# Altium PCB PV Refridgerator v0.1.3.PCBDOC (part 1 of 2)
Units mil, origin at the board's own origin, x right, y up, seen from the top; angles counter-clockwise.
Board outline 6000 x 6000 mil, 2 copper layers (Top Layer, Bottom Layer); 123 components, 98 nets, 340 pads, 106 vias.
Unrouted connection lines stored in the file: 60.
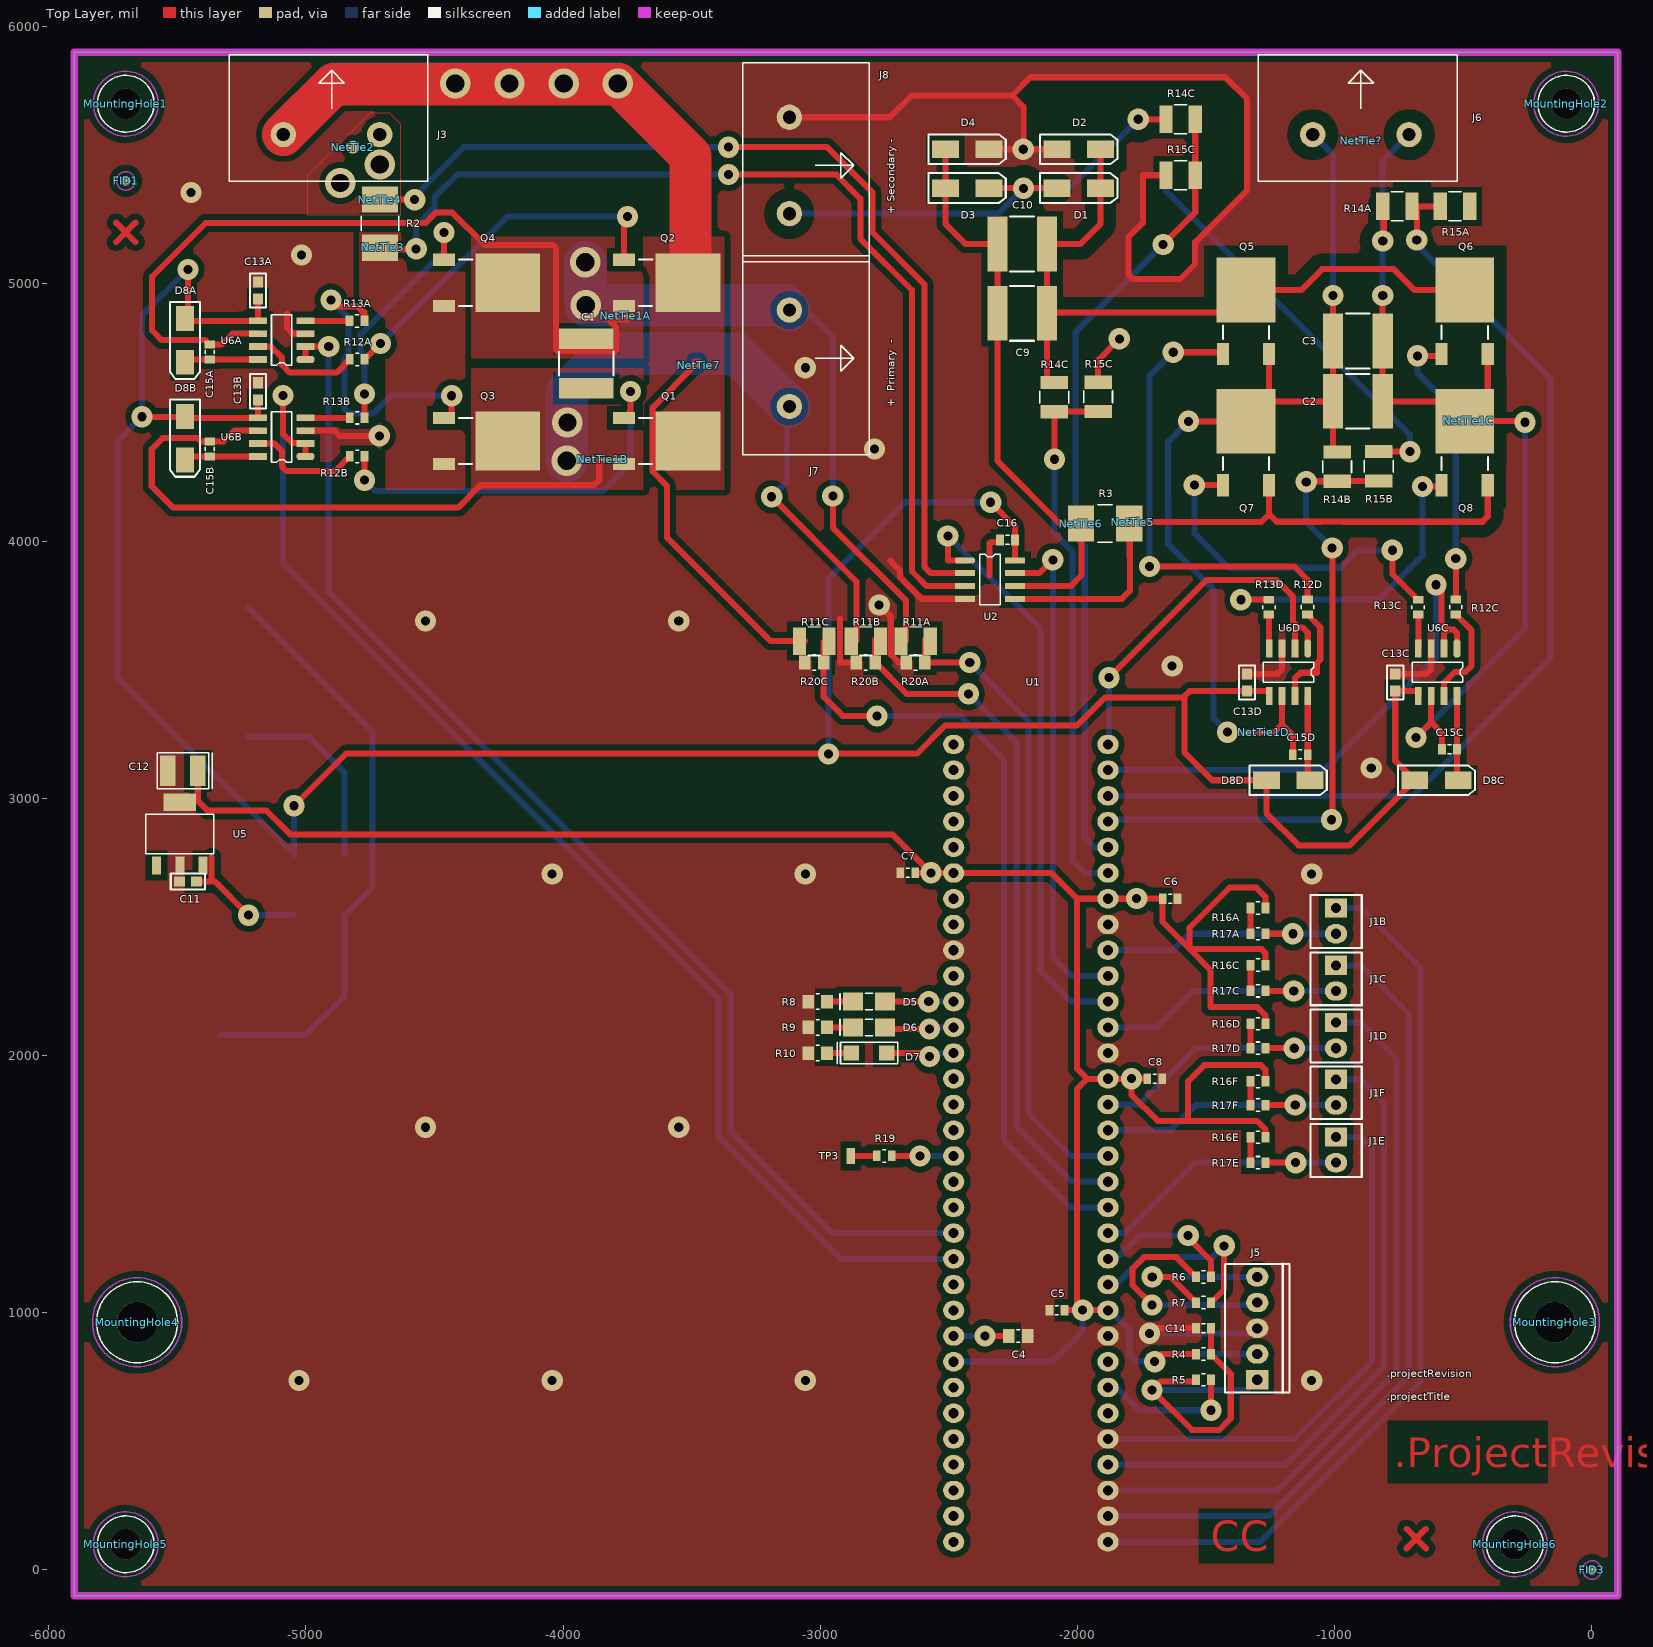
[diagram p0: Top Layer view]
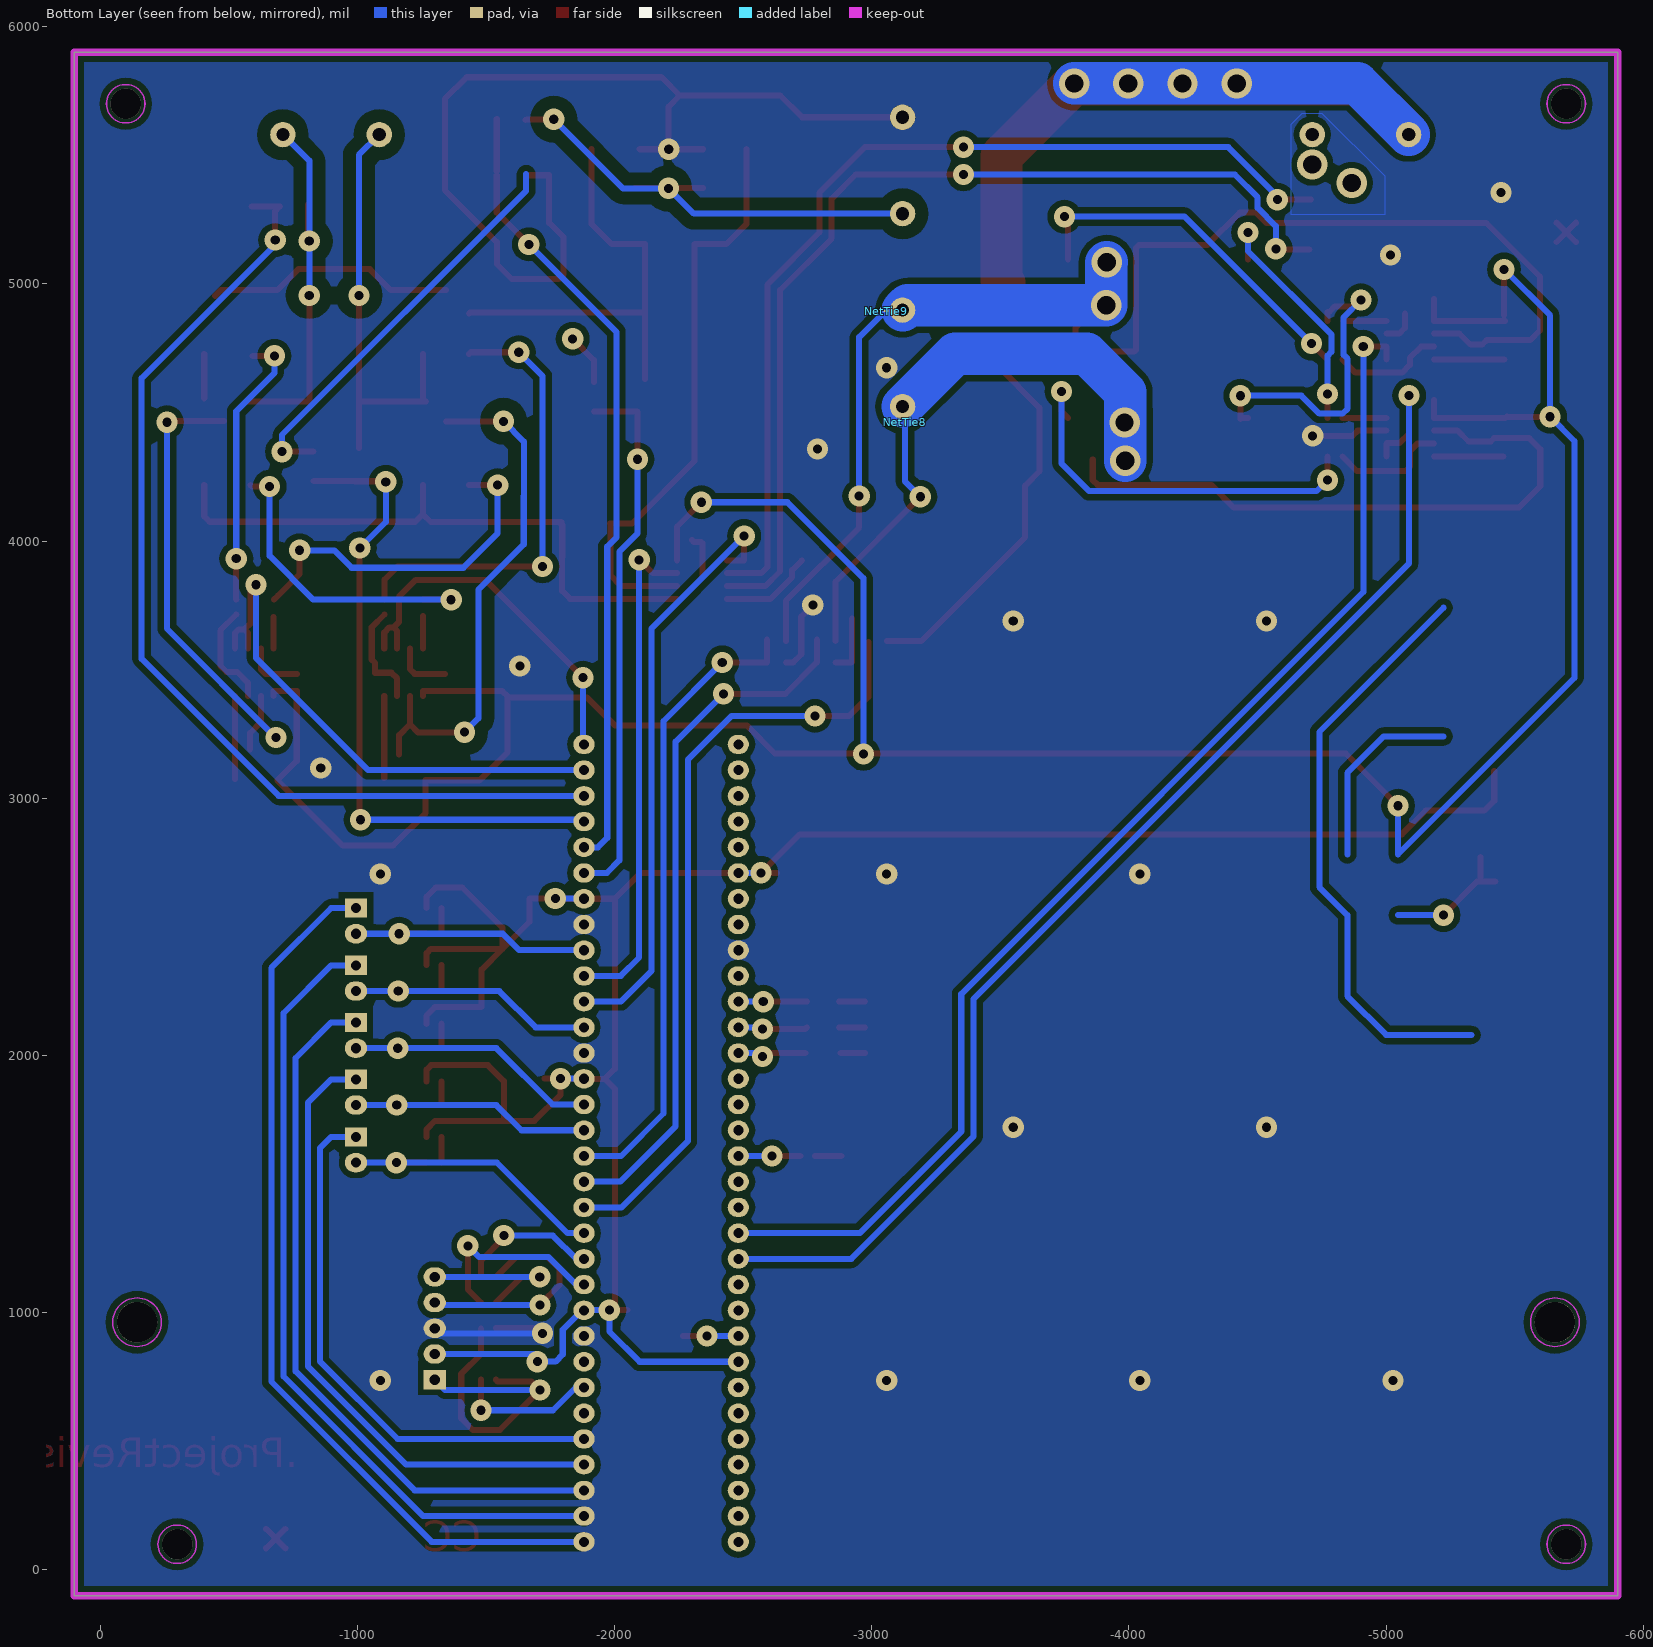
[diagram p1: Bottom Layer view, seen from below]

## Layer stack, top to bottom
Top Solder: solder mask 0.4, Solder Resist, Dk 3.5
Top Layer: signal copper 1.4
Dielectric1: core 12.6, FR-4, Dk 4.8
Bottom Layer: signal copper 1.4
Bottom Solder: solder mask 0.4, Solder Resist, Dk 3.5

## Board outline
-5900,-100 -5900,5900 100,5900 100,-100

## Design rules (kind name [scope] priority, off if disabled: settings)
AssemblyTestpoint [All] p1: testpointundercomponent=TRUE minsize=40 maxsize=100 preferedsize=60 minholesize=0 maxholesize=40 preferedholesize=32 testpointgrid=1 usegrid=FALSE gridtolerance=0.01 allowsidebottom=TRUE
Clearance "Clearance Grounds" [InNetClass('Grounds') vs InNetClass('Grounds')] p1: gap=-1
Clearance "High Voltage (171-250V) Clearance" [InNetClass('171-250V')] p2: gap=49.21
Clearance "Tracks -VT1.P" [InNet('-VT1.P') vs InNet('NetC15A_2')          or InNet('NetNetTie9_1')] p3: gap=-1
Clearance NetTie3 [InNet('NetNetTie3_1') vs InNet('NetNetTie3_2')] p4: gap=-1
Clearance NetTie5 [InNet('NetNetTie5_1') vs InNet('NetNetTie5_2')] p5: gap=-1
Clearance "Tracks +VT1.P" [InNet('+VT1.P') vs InNet('NetC15b_2')  or InNet('NetNetTie8_1')] p6: gap=-1
Clearance "Tracks -DC Bus" [InNet('-DC BUS') vs InNet('NetNetTie6_1')] p7: gap=-1
Clearance "Tracks +Vsolar" [InNet('+VSOLAR') vs InNet('NetNetTie7_1')] p8: gap=-1
Clearance Tracks [All] p9: gap=23.62
ComponentClearance "Fiducials and labels" [HasFootprint('Date Code Label') OR HasFootprint('Fiducial - Top Only') or HasFootprint('1 Pin 14-Gauge Wire Connector') OR HasFootprint('1 Pin 22-Gauge Wire Connector')] p1: gap=-1000 collisioncheckmode=3 verticalgap=5 showdistances=TRUE
ComponentClearance Netties [(ObjectKind = 'Component') And (ComponentType = 'Net Tie')] p2: gap=-1000 collisioncheckmode=3 verticalgap=5 showdistances=TRUE
ComponentClearance "Terminal Blocks" [(HasFootprint('TE 796739-2')) vs (HasFootprint('TE 796739-2'))] p3: gap=-1000 collisioncheckmode=3 verticalgap=5 showdistances=TRUE
ComponentClearance [All] p4: gap=5 collisioncheckmode=3 verticalgap=5 showdistances=TRUE
FabricationTestpoint [All] p1: side=2 testpointundercomponent=TRUE minsize=40 maxsize=100 preferedsize=60 minholesize=0 maxholesize=40 preferedholesize=32 testpointgrid=1 allowsidebottom=TRUE usegrid=FALSE gridtolerance=0.01
HoleSize "Micah Mill Hole Size" [All] p1: absolutevalues=TRUE maxlimit=1000 minlimit=35.43 maxpercent=80.000 minpercent=20.000
HoleSize "OSH Park Hole Size" [All] p2: absolutevalues=TRUE maxlimit=1000 minlimit=13 maxpercent=80.000 minpercent=20.000
HoleSize "Sunstone Hole Size" [All] p3: absolutevalues=TRUE maxlimit=251 minlimit=16 maxpercent=80.000 minpercent=20.000
MinimumAnnularRing [All] p1: minimumring=17.72 // OSH Park
MinimumSolderMaskSliver [(InComponentClass('Inside Board Components'))] p1: minsoldermaskwidth=0
PlaneClearance [All] p1: clearance=39.37
PlaneConnect [All] p1: planeconnectstyle=Relief reliefexpansion=39.37 reliefentries=4 reliefconductorwidth=39.37 reliefairgap=39.37
PolygonConnect "Hi-Power Polygon" [InNetClass('15A')] p1: connectstyle=Direct reliefconductorwidth=10 reliefentries=4 polygonreliefangle="45 Angle" airgapwidth=10
PolygonConnect [All] p2: connectstyle=Relief reliefconductorwidth=39.37 reliefentries=4 polygonreliefangle="90 Angle" airgapwidth=39.37
RoomDefinition Powersupply [InComponentClass('Powersupply')] p1: confinementstyle=ConfineIn formatcopy=TRUE lockcomponents=FALSE outline 188.27,99 4188.27,99 4188.27,2799 188.27,2799
RoomDefinition "Vsense Thermistor2" [InComponentClass('Vsense Thermistor2')] p2: confinementstyle=ConfineIn formatcopy=TRUE lockcomponents=FALSE outline -24711.73,-21901 -22711.73,-21901 -22711.73,-20901 -24711.73,-20901
RoomDefinition "Vsense Thermistor1" [InComponentClass('Vsense Thermistor1')] p3: confinementstyle=ConfineIn formatcopy=TRUE lockcomponents=FALSE outline -24711.73,-21901 -22711.73,-21901 -22711.73,-20901 -24711.73,-20901
RoomDefinition "Vsense Thermistor5" [InComponentClass('Vsense Thermistor5')] p4: confinementstyle=ConfineIn formatcopy=TRUE lockcomponents=FALSE outline 277.27,-2567.93 277.27,-2414.07 841.27,-2414.07 841.27,-2383.03 1185.27,-2383.03 1185.27,-2488.97 803.26,-2488.97 803.26,-2665 559.77,-2665 559.77,-2567.93
RoomDefinition "Vsense Thermistor4" [InComponentClass('Vsense Thermistor4')] p5: confinementstyle=ConfineIn formatcopy=TRUE lockcomponents=FALSE outline 277.27,-3002.93 277.27,-2849.07 841.27,-2849.07 841.27,-2818.03 1185.27,-2818.03 1185.27,-2923.97 803.26,-2923.97 803.26,-3100 559.77,-3100 559.77,-3002.93
RoomDefinition "Vsense Thermistor3" [InComponentClass('Vsense Thermistor3')] p6: confinementstyle=ConfineIn formatcopy=TRUE lockcomponents=FALSE outline 277.27,-3437.93 277.27,-3284.07 841.27,-3284.07 841.27,-3253.03 1185.27,-3253.03 1185.27,-3358.97 803.26,-3358.97 803.26,-3535 559.77,-3535 559.77,-3437.93
RoomDefinition "Vsense Thermistor6" [InComponentClass('Vsense Thermistor6')] p7: confinementstyle=ConfineIn formatcopy=TRUE lockcomponents=FALSE outline -2361.74,-3483.59 -2361.74,-3379.1 -248.19,-3379.1 -248.19,-3455.1 -2194.26,-3455.1 -2194.26,-3483.59
RoomDefinition "Vsense 0-2233" [InComponentClass('Vsense 0-2233')] p8: confinementstyle=ConfineIn formatcopy=TRUE lockcomponents=FALSE outline -2529.21,-3483.59 -2529.21,-3379.1 -656,-3379.1 -656,-3455.1 -2361.74,-3455.1 -2361.74,-3483.59
RoomDefinition "Vsense 0-2232" [InComponentClass('Vsense 0-2232')] p9: confinementstyle=ConfineIn formatcopy=TRUE lockcomponents=FALSE outline -3795.21,-3515.04 -3795.21,-3379.1 -1859.31,-3379.1 -1859.31,-3483.59 -3643.21,-3483.59 -3643.21,-3515.04
RoomDefinition "Vsense 0-2231" [InComponentClass('Vsense 0-2231')] p10: confinementstyle=ConfineIn formatcopy=TRUE lockcomponents=FALSE outline -6000,-3685.7 -6000,-3609.7 -2194.26,-3609.7 -2194.26,-3379.1 -520.06,-3379.1 -520.06,-3455.1 -2026.78,-3455.1 -2026.78,-3483.59 -2026.78,-3685.7 -5864.06,-3685.7
RoomDefinition "Vsense 0-69.3V1" [InComponentClass('Vsense 0-69.3V1')] p11: confinementstyle=ConfineIn formatcopy=TRUE lockcomponents=FALSE outline -3086.93,3409 -3086.93,3491 -3077.97,3491 -3077.97,3658 -2942.03,3658 -2942.03,3491 -2933.07,3491 -2933.07,3409
RoomDefinition Transformer [InComponentClass('Transformer')] p12: confinementstyle=ConfineIn formatcopy=TRUE lockcomponents=FALSE outline -4767.5,5908.75 -4767.5,8731.25 -1376.25,8731.25 -1376.25,5908.75 -2801.48,5908.75 -2801.48,4328.1 -3308.6,4328.1 -3308.6,5908.75
RoomDefinition Microcontroller [InComponentClass('Microcontroller')] p13: confinementstyle=ConfineIn formatcopy=TRUE lockcomponents=FALSE outline -5864.06,-3682.7 -5864.06,-3609.7 -3407.5,-3609.7 -3407.5,3407.5 -2392.5,3407.5 -2392.5,-3379.1 -1199.75,-3379.1 -1199.75,-3460.09 -3169.21,-3460.09 -3169.21,-3485.04 -3169.21,-3668.7 -4184.69,-3668.7 -5728.06,-3668.7 -5728.06,-3682.7
RoomDefinition ICSP [InComponentClass('ICSP')] p14: confinementstyle=ConfineIn formatcopy=TRUE lockcomponents=FALSE outline -2452.97,2068 -2452.97,2632 -2347.03,2632 -2347.03,2570.04 -965.79,2570.04 -965.79,2029.96 -1822.39,2029.96 -1822.39,2040 -2235,2040 -2235,2068
RoomDefinition "Half H-Bridge Driver4" [InComponentClass('Half H-Bridge Driver4')] p15: confinementstyle=ConfineIn formatcopy=TRUE lockcomponents=FALSE outline -1448.5,4564.5 -1448.5,4595.5 -1431.5,4595.5 -1431.5,3796.43 -1074,3796.43 -1074,3660 -1047.89,3660 -1047.89,3139 -1022,3139 -1022,3001 -1340,3001 -1340,3373.07 -1382,3373.07 -1448.5,3373.07
RoomDefinition "Half H-Bridge Driver3" [InComponentClass('Half H-Bridge Driver3')] p16: confinementstyle=ConfineIn formatcopy=TRUE lockcomponents=FALSE outline -805.65,3373.07 -805.65,3526.93 -717.13,3526.93 -717.13,3660 -716.65,3660 -716.65,3796.43 -510.5,3796.43 -510.5,4818.5 -479.5,4818.5 -479.5,3660 -471.54,3660 -471.54,3139 -445.65,3139 -445.65,3001 -763.65,3001 -763.65,3373.07
RoomDefinition "Half H-Bridge Driver2" [InComponentClass('Half H-Bridge Driver2')] p17: confinementstyle=ConfineIn formatcopy=TRUE lockcomponents=FALSE outline -5539,4241 -5539,4559 -5171.93,4559 -5171.93,4602 -5018.07,4602 -5018.07,4516.48 -4884,4516.48 -4884,4511 -4747.57,4511 -4747.57,4378.5 -3654.5,4378.5 -3654.5,4361.5 -4747.57,4361.5 -4747.57,4297 -4884,4297 -4884,4270.89 -5401,4270.89 -5401,4241
RoomDefinition "Half H-Bridge Driver1" [InComponentClass('Half H-Bridge Driver1')] p18: confinementstyle=ConfineIn formatcopy=TRUE lockcomponents=FALSE outline -5559,4621 -5559,4939 -5184.93,4939 -5184.93,4984 -3685.5,4984 -3685.5,4988.5 -3654.5,4988.5 -3654.5,4971.5 -4765.1,4971.5 -4765.1,4674 -4901.54,4674 -4901.54,4647.89 -5421,4647.89 -5421,4621
RoomDefinition "Vsense (0-69.3V)" [InComponentClass('Vsense (0-69.3V)')] p19: confinementstyle=ConfineIn formatcopy=TRUE lockcomponents=FALSE outline -4892.69,-3532.96 -4892.69,-3379.1 -2913.21,-3379.1 -2913.21,-3485.04 -3415.21,-3485.04 -3415.21,-3515.04 -4810.69,-3515.04 -4810.69,-3532.96
RoomDefinition "Vsense 0-69.3V2" [InComponentClass('Vsense 0-69.3V2')] p20: confinementstyle=ConfineIn formatcopy=TRUE lockcomponents=FALSE outline -3320.46,3409 -3320.46,3491 -3311.5,3491 -3311.5,3658 -3175.56,3658 -3175.56,3491 -3166.6,3491 -3166.6,3409
RoomDefinition "RGB LED" [InComponentClass('RGB LED')] p21: confinementstyle=ConfineIn formatcopy=TRUE lockcomponents=FALSE outline -3643.21,-3515.04 -3643.21,-3379.1 -2727.68,-3379.1 -2727.68,-3007.1 -1099.23,-3007.1 -1099.23,-3379.1 -384.13,-3379.1 -384.13,-3455.1 -3567.21,-3455.1 -3567.21,-3515.04
RoomDefinition "High Voltage H-Bridge" [InComponentClass('High Voltage H-Bridge')] p22: confinementstyle=ConfineIn formatcopy=TRUE lockcomponents=FALSE outline -1495,4170 -1495,5159.7 -345,5159.7 -345,4170
RoomDefinition "High Current H-Bridge" [InComponentClass('High Current H-Bridge')] p23: confinementstyle=ConfineIn formatcopy=TRUE lockcomponents=FALSE outline -4510,4239 -4510,5154 -3330.3,5154 -3330.3,4239
RoomDefinition "Full-Wave Rectifier" [InComponentClass('Full-Wave Rectifier')] p24: confinementstyle=ConfineIn formatcopy=TRUE lockcomponents=FALSE outline -2588,5303 -2588,5592 -1836,5592 -1836,5303 -2070.17,5303 -2070.17,4769.7 -2359.83,4769.7 -2359.83,5303
RoomDefinition "Current Sense" [InComponentClass('Current Sense')] p25: confinementstyle=ConfineIn formatcopy=TRUE lockcomponents=FALSE outline -4374.7,5332.93 -4374.7,5640.3 -4212.7,5640.3 -4212.7,4381 -1531.31,4381 -1531.31,4219 -1931.5,4219 -1931.5,34.5 -1948.5,34.5 -1948.5,3743.57 -2485.02,3743.57 -4374.7,3743.57
RoutingPriority Hi-Power [InNetClass('Hi-Power')] p1: routingpriority=0
RoutingPriority "Non-Hi-Power Tracks" [All] p2: routingpriority=1
RoutingTopology "Analog Routing Topology" [InNet('ANALOG GROUND')] p1: topology=Starburst
RoutingTopology [All] p2: topology=Shortest
RoutingVias "High Power Vias" [InNetClass('15A')] p1: holewidth=70.87 width=118.11 viastyle="Through Hole" minholewidth=70.87 minwidth=118.11 maxholewidth=70.87 maxwidth=118.11
RoutingVias "Signal Vias" [All] p2: holewidth=35.43 width=82.68 viastyle="Through Hole" minholewidth=35.43 minwidth=82.68 maxholewidth=35.43 maxwidth=82.68
SMDNeckDown SMDNeckDown_1 [InNetClass('Power')] p1: percent=5000.000
SMDNeckDown [InNetClass('Extreme Hi-Power')] p2: percent=5000.000
ShortCircuit "Ground Short Circuit" [InNetClass('Grounds') vs InNetClass('Grounds')] p1: allowed=TRUE
ShortCircuit "ShortCircuit -VT1.P" [InNet('-VT1.P') vs InNet('NetC15A_2')          or InNet('NetNetTie9_1')] p2: allowed=TRUE
ShortCircuit "ShortCircuit NetTie3" [InNet('NetNetTie3_1') vs InNet('NetNetTie3_2')] p3: allowed=TRUE
ShortCircuit "ShortCircuit NetTie5" [InNet('NetNetTie5_1') vs InNet('NetNetTie5_2')] p4: allowed=TRUE
ShortCircuit "ShortCircuit -0V" [InNet('0V') vs InNet('NetNetTie4_1')] p5: allowed=TRUE
ShortCircuit "ShortCircuit +VT1.P" [InNet('+VT1.P') vs InNet('NetC15b_2')  or InNet('NetNetTie8_1')] p6: allowed=TRUE
ShortCircuit "ShortCircuit -DC Bus" [InNet('-DC BUS') vs InNet('NetNetTie6_1')] p7: allowed=TRUE
ShortCircuit "ShortCircuit C_Vs" [InNet('C_VS') vs InNet('NetC15D_2')] p8: allowed=TRUE
ShortCircuit "ShortCircuit D_Vs" [InNet('D_VS') vs InNet('NetC15C_2')] p9: allowed=TRUE
ShortCircuit "ShortCircuit +Vsolar" [InNet('+VSOLAR') vs InNet('NetNetTie7_1')] p10: allowed=TRUE
ShortCircuit [All] p11: allowed=FALSE
SilkToSilkClearance [All] p1: silktosilkclearance=0
SilkToSolderMaskClearance SilkscreenOverComponentPads [IsPad] p1: minsilkscreentomaskgap=0 clearancetoexposedcopper=TRUE
SolderMaskExpansion Vias [IsVia] p1: expansion=-2
SolderMaskExpansion "Everything else" [All] p2: expansion=4
UnpouredPolygon [All] p1: allowunpoured=FALSE
Width "High Current Width" [InNetClass('15A')] p1: maxlimit=9999 minlimit=165 preferedwidth=330
Width "Signal trace width" [All] p2: maxlimit=9999 minlimit=23.62 preferedwidth=39.37 checkconnectedcopper=TRUE
17 further rules are at their usual default settings.

## Classes and differential pairs
net class Power: +VSOLAR GND NetD1_2
component class "Vsense Thermistor6": C?F J1F R16F R17F RT1F
component class "Reverse Voltage Protection": Q?
component class Powersupply: NetTie?
component class "15VDC 500mA Boost SMPS": C16 C? D? L? R20 R21 U?
component class "5VDC 250mA Buck SMPS": C3 C4 C5 D1 L1 U1
net class Grounds: -VSOLAR GND NetD2_1
channel class "Vsense Thermistor": VsenseThermistor1 VsenseThermistor2 VsenseThermistor3 VsenseThermistor4 VsenseThermistor5
component class "Vsense Thermistor5": J1E R16E R17E RT1E
component class "Vsense Thermistor4": J1D R16D R17D RT1D
component class "Vsense Thermistor3": J1C R16C R17C RT1C
component class "Vsense Thermistor2": J1B R16B R17B RT1B
component class "Vsense Thermistor1": R16A R17A RT1A
component class "Vsense 0-2233": R14C R15C
component class "Vsense 0-2232": R14B R15B
component class "Vsense 0-2231": R14A R15A
component class "3.3VDC 250mA Linear PS": C11 C12 U5
component class "Vsense 0-69.3V1": R11A R20A
component class "Half H-Bridge Driver4": C13D C15D D8D NetTie1D R12D R13D U6D
component class "Half H-Bridge Driver3": C13C C15C D8C NetTie1C R12C R13C U6C
component class "Half H-Bridge Driver2": C13B C15B D8B NetTie1B R12B R13B U6B
component class "Half H-Bridge Driver1": C13A C15A D8A NetTie1A R12A R13A U6A
component class "Current Sense": C16 NetTie3 NetTie4 NetTie5 NetTie6 R2 R3 U2
component class "Full-Wave Rectifier": D1 D2 D3 D4
component class "High Current H-Bridge": Q1 Q2 Q3 Q4
component class "High Voltage H-Bridge": Q5 Q6 Q7 Q8
component class ICSP: C14 J5 R4 R5 R6 R7
component class Microcontroller: C4 C5 C6 C7 C8 R19 TP3 U1
component class Overview: FD1 FD2 FID1 FID3 J3 J6 MountingHole1 MountingHole2 MountingHole3 MountingHole4 MountingHole5 MountingHole6 NetTie7 NetTie8 NetTie9
component class "Vsense 0-69.3V2": R11B R20B
component class "RGB LED": D5 D6 D7 R8 R9 R10
component class Transformer: J7 J8 Transformer1
component class "Vsense (0-69.3V)": R11C R20C
net class 15A: 3.3VDC 15VDC +VSOLAR +VT1.P -VSOLAR -VT1.P GND NetC16_1 NetD1_2 NetD2_1 NetD?_1 NetJ3_1 NetJ3_2 NetNetTie3_2
net class 171-250V: "+DC BUS" +VT1.S C_VS D_VS NetD2_1 NetNetTie5_2
channel class "Half H-Bridge Driver": "Half H-Bridge Driver1" "Half H-Bridge Driver2" "Half H-Bridge Driver3" "Half H-Bridge Driver4"
channel class "Vsense 0-69.3V": "Vsense (0-69.3V)"

## Components (designator, comment, footprint, x,y, rotation, side; value= is the part's Value field where it differs from the comment)
C1 "1uF 2220 450V" "C2220 - CERAMIC" -3910,4690 r90 top
C2 "1uF 2220 450V" "C2220 - CERAMIC" -910,4543 r0 top
C3 "100nF 0603 50V" "C2220 - CERAMIC" -910,4778 r0 top
C4 "10uF 0805 10V" "C0805 - Ceramic" -2230,910 r0 top
C5 "100nF 0603 50V" "C0603 - Ceramic" -2080,1010 r180 top
C6 "100nF 0603 50V" "C0603 - Ceramic" -1640,2610 r0 top
C7 "100nF 0603 50V" "C0603 - Ceramic" -2660,2710 r180 top
C8 "100nF 0603 50V" "C0603 - Ceramic" -1700,1910 r0 top
C9 "1uF 2220 450V" "C2220 - CERAMIC" -2215,4885 r0 top
C10 "1uF 2220 450V" "C2220 - CERAMIC" -2215,5155 r0 top
C11 "100nF 0603 50V" "Capacitor - 0603 Ceramic" -5458.11,2676.85 r180 top
C12 "" "Capacitor - 1210 Tantalum" -5478.11,3106.85 r180 top
C13A "1uF 0603 25V" "Capacitor - 0603 Ceramic" -5186,4974 r90 top (schematic designator C13)
C13B "1uF 0603 25V" "Capacitor - 0603 Ceramic" -5186,4582 r90 top (schematic designator C13)
C13C "1uF 0603 25V" "Capacitor - 0603 Ceramic" -764.65,3450 r90 top (schematic designator C13)
C13D "1uF 0603 25V" "Capacitor - 0603 Ceramic" -1341,3450 r90 top (schematic designator C13)
C14 "100nF 0603 50V" "C0603 - Ceramic" -1509.97,939.45 r180 top
C15A "22uF 1206 35V" "C0603 - Ceramic" -5374,4735 r90 top (schematic designator C15)
C15B "22uF 1206 35V" "C0603 - Ceramic" -5374,4358 r90 top (schematic designator C15)
C15C "22uF 1206 35V" "C0603 - Ceramic" -554,3190 r180 top (schematic designator C15)
C15D "22uF 1206 35V" "C0603 - Ceramic" -1134,3170 r180 top (schematic designator C15)
C16 "100nF 0603 50V" "C0603 - Ceramic" -2272,4004 r180 top
D1 "Diode - Signal 1A" "SMA - Diode"#1 -1995,5372 r0 top
D2 "Diode - Signal 1A" "SMA - Diode"#1 -1995,5523 r0 top
D3 "Diode - Signal 1A" "SMA - Diode"#1 -2429,5372 r0 top
D4 "Diode - Signal 1A" "SMA - Diode"#1 -2429,5523 r0 top
D5 "Red LED 1206" "LED - 1206 Red" -2810.42,2209.45 r180 top
D6 "Green LED 1206" "LED - 1206 Green" -2810.42,2109.45 r180 top
D7 "Blue LED 1206" "LED - 1206 Blue" -2810.42,2009.45 r180 top
D8A "" "SMA - Diode"#2 -5470,4780 r270 top (schematic designator D8)
D8B "" "SMA - Diode"#2 -5470,4400 r270 top (schematic designator D8)
D8C "" "SMA - Diode"#1 -604.65,3070 r0 top (schematic designator D8)
D8D "" "SMA - Diode"#1 -1181,3070 r0 top (schematic designator D8)
FID1 "Fiducial" Fiducial -5700,5400 r0 top
FID3 "Fiducial" Fiducial 0,0 r0 top
J1B "Tº" "CONNECTOR - MTA-100 2 POSITION FRICTION LOCK" -994.92,2523.45 r90 top (schematic designator J1)
J1C "Tº" "CONNECTOR - MTA-100 2 POSITION FRICTION LOCK" -994.92,2300.45 r90 top (schematic designator J1)
J1D "Tº" "CONNECTOR - MTA-100 2 POSITION FRICTION LOCK" -994.92,2078.45 r90 top (schematic designator J1)
J1E "Tº" "CONNECTOR - MTA-100 2 POSITION FRICTION LOCK" -994.92,1633.45 r90 top (schematic designator J1)
J1F "Tº" "CONNECTOR - MTA-100 2 POSITION FRICTION LOCK" -994.92,1857.45 r90 top (schematic designator J1)
J3 "Terminal Block - 2-Position HiV/HiA" "TE 796739-2" -4900,5580 r0 top
J5 "MTA100 - 5-Pin with friction Lock" "Connector - MTA-100 5 Position" -1301.42,939.45 r90 top
J6 "Terminal Block - 2-Position HiV/HiA" "TE 796739-2" -898.18,5580 r0 top
J7 "Terminal Block - 2-Position HiV/HiA" "TE 796739-2" -3120,4710.39 r270 top locked
J8 "Terminal Block - 2-Position HiV/HiA" "TE 796739-2" -3120,5460 r270 top locked
MountingHole1 "M3 Tooling Holes" "M3 Screw - One Sided" -5700,5700 r90 top
MountingHole2 "Mounting Hole" "M3 Screw - One Sided" -100,5700 r90 top
MountingHole3 "Mounting Hole" "M4 Screw - One Sided" -144.09,962.99 r90 top
MountingHole4 "M4 Mounting Hole" "M4 Screw - One Sided" -5655.91,962.99 r90 top
MountingHole5 "Mounting Hole" "M3 Screw - One Sided" -5700,100 r90 top
MountingHole6 "Mounting Hole" "M3 Screw - One Sided" -300,100 r90 top
NetTie1A "Net Tie - Same Size" "Net tie (7/7 mil)" -3757,4875 r0 top net-tie (schematic designator NetTie1)
NetTie1B "Net Tie - Same Size" "Net tie (7/7 mil)" -3844.88,4317.32 r180 top net-tie (schematic designator NetTie1)
NetTie1C "Net Tie - Same Size" "Net tie (7/7 mil)" -479,4467 r0 top net-tie (schematic designator NetTie1)
NetTie1D "Net Tie - Same Size" "Net tie (7/7 mil)" -1276,3256 r0 top net-tie (schematic designator NetTie1)
NetTie2 "Net Tie" "Net tie (7/50 mil)" -4829.97,5531.15 r180 top net-tie
NetTie3 "Net Tie - Different Sizes" "Net tie (7/35 mil)" -4701,5153 r270 top net-tie
NetTie4 "Net Tie - Different Sizes" "Net tie (7/7 mil)" -4712,5327.5 r0 top net-tie
NetTie5 "Net Tie - Different Sizes" "Net tie (7/35 mil)" -1794.31,4074 r0 top net-tie
NetTie6 "Net Tie - Different Sizes" "Net tie (7/7 mil)" -1986.5,4068 r0 top net-tie
NetTie7 "Net Tie - Same Size" "Net tie (7/7 mil)" -3473,4683 r90 top net-tie
NetTie8 "Net Tie - Same Size" "Net tie (7/7 mil)" -3129,4461 r270 bottom net-tie
NetTie9 "Net Tie - Same Size" "Net tie (7/7 mil)" -3056,4894 r0 bottom net-tie
NetTie? "Net Tie - Different Sizes" "Net tie (7/7 mil)" -897.34,5556.78 r0 top net-tie
Q1 "N-MOSFET" DPAK -3514.65,4389 r270 top
Q2 "N-MOSFET" DPAK -3514.65,5004 r270 top
Q3 "N-MOSFET" DPAK -4214.65,4389 r270 top
Q4 "N-MOSFET" DPAK -4214.65,5004 r270 top
Q5 "N-MOSFET 420mR 250V" DPAK -1345,4975.35 r0 top
Q6 "N-MOSFET 420mR 250V" DPAK -495,4975.35 r0 top
Q7 "N-MOSFET 420mR 250V" DPAK -1345,4465.35 r0 top
Q8 "N-MOSFET 420mR 250V" DPAK -495,4465.35 r0 top
R2 "3mR 2512 1%" R2512 -4712,5234 r270 top
R3 "33mR 2512 1%" R2512 -1893,4068 r0 top
R4 "10k 0603 1%" R0603 -1510,839.45 r0 top
R5 "100R 0603 1%" R0603 -1510,739.45 r0 top
R6 "100R 0603 1%" R0603 -1510,1139.45 r0 top
R7 "100R 0603 1%" R0603 -1510,1039.45 r0 top
R8 "255R 0805 1%" R0805 -3010.42,2209.45 r0 top
R9 "255R 0805 1%" R0805 -3010.42,2109.45 r0 top
R10 "255R 0805 1%" R0805 -3010.42,2009.45 r0 top
R11A "1M 1206 1%" R1210 -2629.73,3611 r180 top (schematic designator R11)
R11B "1M 1206 1%" R1210 -2823.26,3611 r180 top (schematic designator R11)
R11C "1M 1206 1%" R1210 -3023.73,3611 r180 top (schematic designator R11)
R12A "0R 0603" R0603 -4800.54,4706 r0 top (schematic designator R12)
R12B "0R 0603" R0603 -4800.54,4329 r0 top (schematic designator R12)
R12C "0R 0603" R0603 -529.65,3743.47 r90 top (schematic designator R12)
R12D "0R 0603" R0603 -1106,3743.46 r90 top (schematic designator R12)
R13A "0R 0603" R0603 -4801,4856 r0 top (schematic designator R13)
R13B "0R 0603" R0603 -4800.54,4479 r0 top (schematic designator R13)
R13C "0R 0603" R0603 -676,3743 r90 top (schematic designator R13)
R13D "0R 0603" R0603 -1256,3743 r90 top (schematic designator R13)
R14A "1M 1206 1%" R1210 -756.94,5301 r180 top (schematic designator R14)
R14B "1M 1206 1%" R1210 -990.83,4290 r90 top (schematic designator R14)
R14C "Template - Resistor" R1210 -2090,4560 r90 top (schematic designator R14)
R14C "1M 1206 1%" R1210 -1600,5640 r180 top (schematic designator R14)
R15A "Template - Resistor" R1210 -533,5301 r180 top (schematic designator R15)
R15B "Template - Resistor" R1210 -829.17,4290 r270 top (schematic designator R15)
R15C "Template - Resistor" R1210 -1920,4560 r270 top (schematic designator R15)
R15C "Template - Resistor" R1210 -1599.04,5422 r0 top (schematic designator R15)
R16A "7.5k 0603 0.1%" R0603 -1298.42,2573.45 r0 top (schematic designator R16)
R16C "7.5k 0603 0.1%" R0603 -1298.42,2351.45 r0 top (schematic designator R16)
R16D "7.5k 0603 0.1%" R0603 -1298.42,2123.45 r0 top (schematic designator R16)
R16E "7.5k 0603 0.1%" R0603 -1298.42,1682.45 r0 top (schematic designator R16)
R16F "7.5k 0603 0.1%" R0603 -1298.42,1899.45 r0 top (schematic designator R16)
R17A "20k 0603 0.1%" R0603 -1298.42,2473.45 r180 top (schematic designator R17)
R17C "20k 0603 0.1%" R0603 -1298.42,2251.45 r180 top (schematic designator R17)
R17D "20k 0603 0.1%" R0603 -1298.42,2028.45 r180 top (schematic designator R17)
R17E "20k 0603 0.1%" R0603 -1298.42,1583.45 r180 top (schematic designator R17)
R17F "20k 0603 0.1%" R0603 -1298.42,1807.45 r180 top (schematic designator R17)
R19 "100R 0603 1%" R0603 -2751.42,1609.45 r180 top
R20A "Template - Resistor" R0805 -2629.73,3528 r0 top (schematic designator R20)
R20B "Template - Resistor" R0805 -2823.26,3528 r0 top (schematic designator R20)
R20C "Template - Resistor" R0805 -3023.73,3528 r0 top (schematic designator R20)
TP3 "MTA100-2 with friction Lock" "SMT Test Clip" -2881.42,1609.45 r90 top
Transformer1 "Transformer" TRANSFORMER -3100,7320 r90 top
U1 "PIC24FJ256GA106 Microprocessor" "TQFP-64 0.5MM BREAKOUT BOARD" -1881.42,3209.45 r180 top locked
U2 "Dual High Side Current Sense Amplifier" "SOIC-8 (3.9MM)" -2340,3850 r270 top
U5 "3.3VDC 1A Linear Regulator" SOT223-3 -5489.61,2861.85 r90 top
U6A "H-Bridge Driver" SOIC-8 -5094,4781 r90 top (schematic designator U6)
U6B "H-Bridge Driver" SOIC-8 -5094,4404 r90 top (schematic designator U6)
U6C "H-Bridge Driver" SOIC-8 -600,3490 r180 top (schematic designator U6)
U6D "H-Bridge Driver" SOIC-8 -1180,3490 r180 top (schematic designator U6)

## Footprints (in the part's own frame and the unit in brackets; to place one, negate y for a bottom-side part, rotate by r counter-clockwise, add the part's x,y. Pads: shape width x height; smd on the part's side, far side on the other; paste and mask are expansions set on the pad)
"C0603 - Ceramic" [mil] "Improved footprint"
  rect 30x41 smd: 1(-29,0) 2(29,0)
  silkscreen extent -6,-18 6,17, body extent -31,-15 32,16, height 12
"C0805 - Ceramic" [mil]
  rect 45x55 smd: 1(-36.5,0) 2(36.5,0)
  silkscreen extent -6,-24 6,24, body extent -39,-25 39,25, height 31
"C2220 - CERAMIC" [mm] "Chip Capacitor, 2-Leads, Body 5.75x5.00mm, IPC Medium Density"
  rect 2x5.4 smd: 1(-2.45,0) 2(2.45,0)
  silkscreen extent -1.19,-2.7 1.17,2.7, body extent -2.85,-2.5 2.85,2.5, height 2.3
"Capacitor - 0603 Ceramic" [mm] "IPC-SM-782 Compliant - Rev B 2016-06-09"
  rrect0% 1.1x1 smd: 1(-0.85,0) 2(0.85,0)
  silkscreen extent -1.7,-0.8 1.7,0.8, body extent -0.8,-0.4 0.8,0.4, height 0.3
"Capacitor - 1210 Tantalum" [mm] "Chip Capacitor, 2-Leads, Body 3.50x2.80mm, IPC Medium Density"
  rrect0% 1.55x3 smd: 1(-1.475,0) 2(1.475,0)
  silkscreen extent -2.92,-1.78 2.54,1.78, body extent -1.85,-1.46 1.85,1.47, height 2.03
"CONNECTOR - MTA-100 2 POSITION FRICTION LOCK" [mm]
  rect 1.9x2.2 hole 1 mask+0.127: 1(1.27,0)
  oval 1.9x2.2 hole 1 mask+0.127: 2(-1.27,0)
  silkscreen extent -2.67,-2.54 2.54,2.54, body extent -2.54,-2.67 2.54,3.18, height 10.05
"Connector - MTA-100 5 Position" [mm] "Verticle"
  rect 1.9x2.2 hole 1: 1(-5.08,0)
  oval 1.9x2.2 hole 1: 2(-2.54,0) 3(0,0) 4(2.54,0) 5(5.08,0)
  silkscreen extent -6.35,-3.18 6.35,3.18, body extent -6.38,-3.18 6.32,2.67, height 10.03
DPAK [mm]
  rect 1.2x2.2 smd: 1(-2.28,-6.3) 3(2.28,-6.3)
  rect 5.8x6.4 smd: 2(0,0)
  silkscreen extent -2.29,-4.83 2.29,-3.51, body extent -3.32,-7.06 3.26,2.64, height 2.3
Fiducial [mm]
  round 1 smd paste-1 mask+0.5: ""(0,0)
  Top Layer keep-out circle w0.152: c0,0 r0.914
"LED - 1206 Blue" [mm]
  rect 1.5x1.5 smd: 1(-1.75,0) 2(1.75,0)
  silkscreen extent -2.82,-1.07 3.12,1.07, body extent -1.58,-0.8 1.64,0.8, height 1.1
"LED - 1206 Green" [mil]
  rect 78x70 smd: 1(-62.5,0) 2(62.5,0)
  silkscreen extent -14,-32 113,32, body extent -63,-31 63,31, height 43
"LED - 1206 Red" [mil]
  rect 78x70 smd: 1(-62.5,0) 2(62.5,0)
  silkscreen extent -14,-32 113,32, body extent -63,-31 63,32, height 43
"M3 Screw - One Sided" [mm] "Back side is safe (No metal post/nuts)"
  round 3 hole 3 unplated: ""(0,0)
  Top Layer keep-out circle w0.152: c0,0 r3.2
  Bottom Layer keep-out circle w0.152: c0,0 r1.9
  silkscreen extent -2.8,-2.8 2.8,2.8
"M4 Screw - One Sided" [mm] "Back side is safe (No metal post/nuts)"
  round 4 hole 4 unplated: ""(0,0)
  Top Layer keep-out circle w0.152: c0,0 r4.4
  Bottom Layer keep-out circle w0.152: c0,0 r2.4
  silkscreen extent -4,-4 4,4
"Net tie (7/7 mil)" [mil] "Connects 2 nets together, 7 mil trace"
  oval 14x7 smd paste-20 mask-20: 1(3.5,0) 2(-3.5,0)
"Net tie (7/35 mil)" [mil] "Connects 2 nets together, 35 to 7 mil trace"
  oval 14x7 smd paste-20 mask-20: 1(20,0)
  round 35 smd paste-200 mask-200: 2(0,0)
"Net tie (7/50 mil)" [mil] "Connects 2 nets together, 50 to 7 mil trace"
  oval 14x7 smd paste-20 mask-20: 1(-10,0)
  round 50 smd paste-200 mask-200: 2(-13,0)
R0603 [mil] "Improved footprint"
  rect 30x41 smd: 1(-28.97,0) 2(28.97,0)
  silkscreen extent -6,-24 6,24, body extent -32,-16 31,15, height 12
R0805 [mil] "SMT"
  rect 45x53 smd: 1(-36.47,0) 2(36.47,0)
  silkscreen extent -6,-30 6,30, body extent -39,-25 39,25, height 31
R1210 [mm]
  rect 1.3x2.7 smd: 1(-1.462,0) 2(1.438,0)
  silkscreen extent -0.61,-1.42 0.58,1.42, body extent -2,-1.24 2,1.24, height 1.7
R2512 [mm]
  rect 2.6x3.55 smd: 1(-2.375,0) 2(2.375,0)
  silkscreen extent -0.71,-1.85 0.69,1.85, body extent -3.2,-1.6 3.2,1.6, height 0.61
"SMA - Diode"#1 [mm]
  rect 2.65x1.75 smd: 1(-2.15,0) 2(2.15,0)
  silkscreen extent -3.81,-1.48 3.81,1.48, body extent -2.74,-1.4 2.74,1.4, height 2.29
"SMA - Diode"#2 [mm]
  rect 2.45x1.75 smd: 1(-2.15,0) 2(2.15,0)
  silkscreen extent -3.81,-1.48 3.81,1.48, body extent -2.74,-1.4 2.74,1.4, height 2.29
"SMT Test Clip" [mm]
  rect 1.6x0.8 smd: 1(0,0)
SOIC-8 [mm] "Copper Only"
  oct 0.67x1.78 smd: 1(-1.905,-2.34)
  rect 0.67x1.78 smd: 2(-0.635,-2.34) 3(0.635,-2.34) 4(1.905,-2.34) 5(1.905,2.34) 6(0.635,2.34) 7(-0.635,2.34) 8(-1.905,2.34)
  silkscreen extent -2.5,-1 2.5,1, body extent -2.5,-3 2.5,3, height 1.61
"SOIC-8 (3.9MM)" [mm]
  oct 0.6x1.98 smd: 1(-1.905,-2.465)
  rect 0.6x1.98 smd: 2(-0.635,-2.465) 3(0.635,-2.465) 4(1.905,-2.465) 5(1.905,2.465) 6(0.635,2.465) 7(-0.635,2.465) 8(-1.905,2.465)
  silkscreen extent -2.5,-1 2.5,1, body extent -2.5,-3 2.5,3, height 1.61
SOT223-3 [mm] "SOT223, 4-Leads, Body 6.50x7.00mm (avg), Pitch 2.30mm, IPC Medium Density"
  rect 1.75x0.9 smd: 1(-3.125,2.3) 2(-3.125,0) 3(-3.125,-2.3)
  rect 1.75x3.2 smd: 2(3.125,0)
  silkscreen extent -1.95,-3.35 1.95,3.35, body extent -3.4,-3.26 3.6,3.24, height 1.71
"TE 796739-2" [mm]
  round 2.5 hole 1.3: 1(-4.76,0) 2(4.76,0)
  silkscreen extent -10.12,-4.6 9.52,7.9, body extent -10.12,-4.6 9.52,7.9, height 21.51
"TQFP-64 0.5MM BREAKOUT BOARD" [mm]
  oval 2.1x1.9 hole 1: 1(0,78.74) 2(0,76.2) 3(0,73.66) 4(0,71.12) 5(0,68.58) 6(0,66.04) 7(0,63.5) 8(0,60.96) 9(0,58.42) 10(0,55.88) 11(0,53.34) 12(0,50.8) 13(0,48.26) 14(0,45.72) 15(0,43.18) 16(0,40.64) 17(0,38.1) 18(0,35.56) 19(0,33.02) 20(0,30.48) 21(0,27.94) 22(0,25.4) 23(0,22.86) 24(0,20.32) 25(0,17.78) 26(0,15.24) 27(0,12.7) 28(0,10.16) 29(0,7.62) 30(0,5.08) 31(0,2.54) 32(0,0) 33(15.24,0) 34(15.24,2.54) 35(15.24,5.08) 36(15.24,7.62) 37(15.24,10.16) 38(15.24,12.7) 39(15.24,15.24) 40(15.24,17.78) 41(15.24,20.32) 42(15.24,22.86) 43(15.24,25.4) 44(15.24,27.94) 45(15.24,30.48) 46(15.24,33.02) 47(15.24,35.56) 48(15.24,38.1) 49(15.24,40.64) 50(15.24,43.18) 51(15.24,45.72) 52(15.24,48.26) 53(15.24,50.8) 54(15.24,53.34) 55(15.24,55.88) 56(15.24,58.42) 57(15.24,60.96) 58(15.24,63.5) 59(15.24,66.04) 60(15.24,68.58) 61(15.24,71.12) 62(15.24,73.66) 63(15.24,76.2) 64(15.24,78.74)
  body extent -5.08,-5.08 20.32,83.82, height 10
TRANSFORMER [mil]
  body extent -1406,-1719 1406,1662, height 3375